# Altium PCB DRV8701EPCB.PcbDoc
Units mil, origin at the board's own origin, x right, y up, seen from the top; angles counter-clockwise.
Board outline 2655 x 1290 mil, 2 copper layers (Top, BOTTOM), stack 21 mil thick; 41 components, 38 nets, 211 pads, 196 vias.
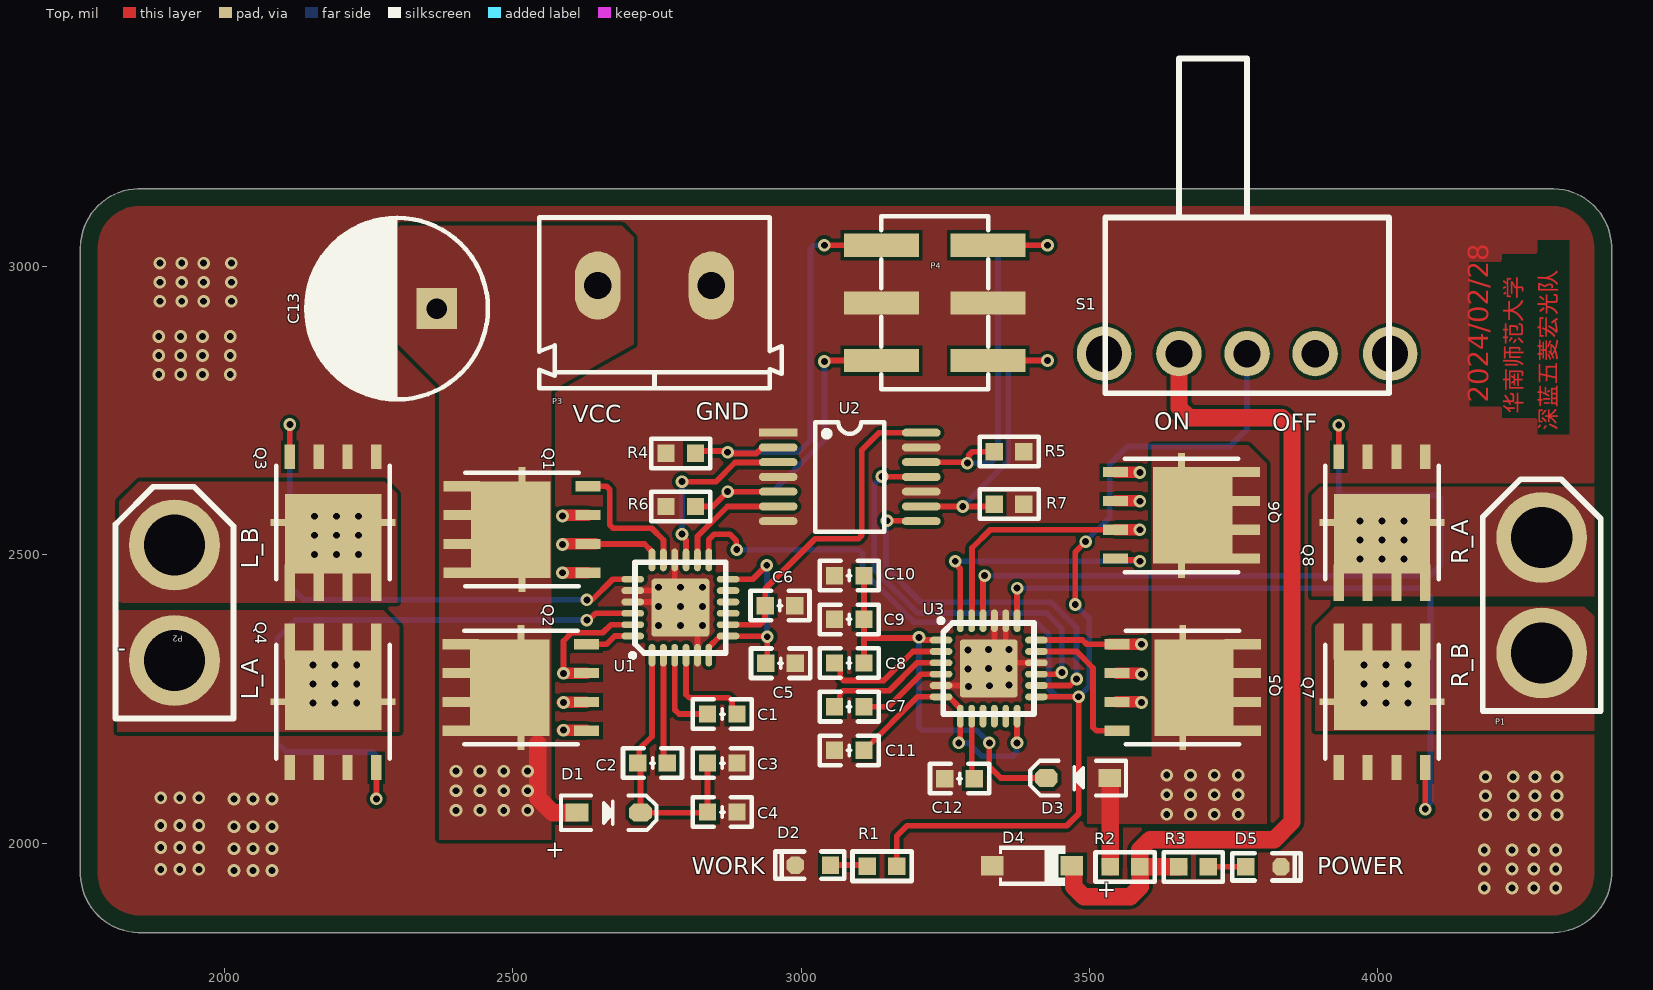
[diagram p0: Top view]
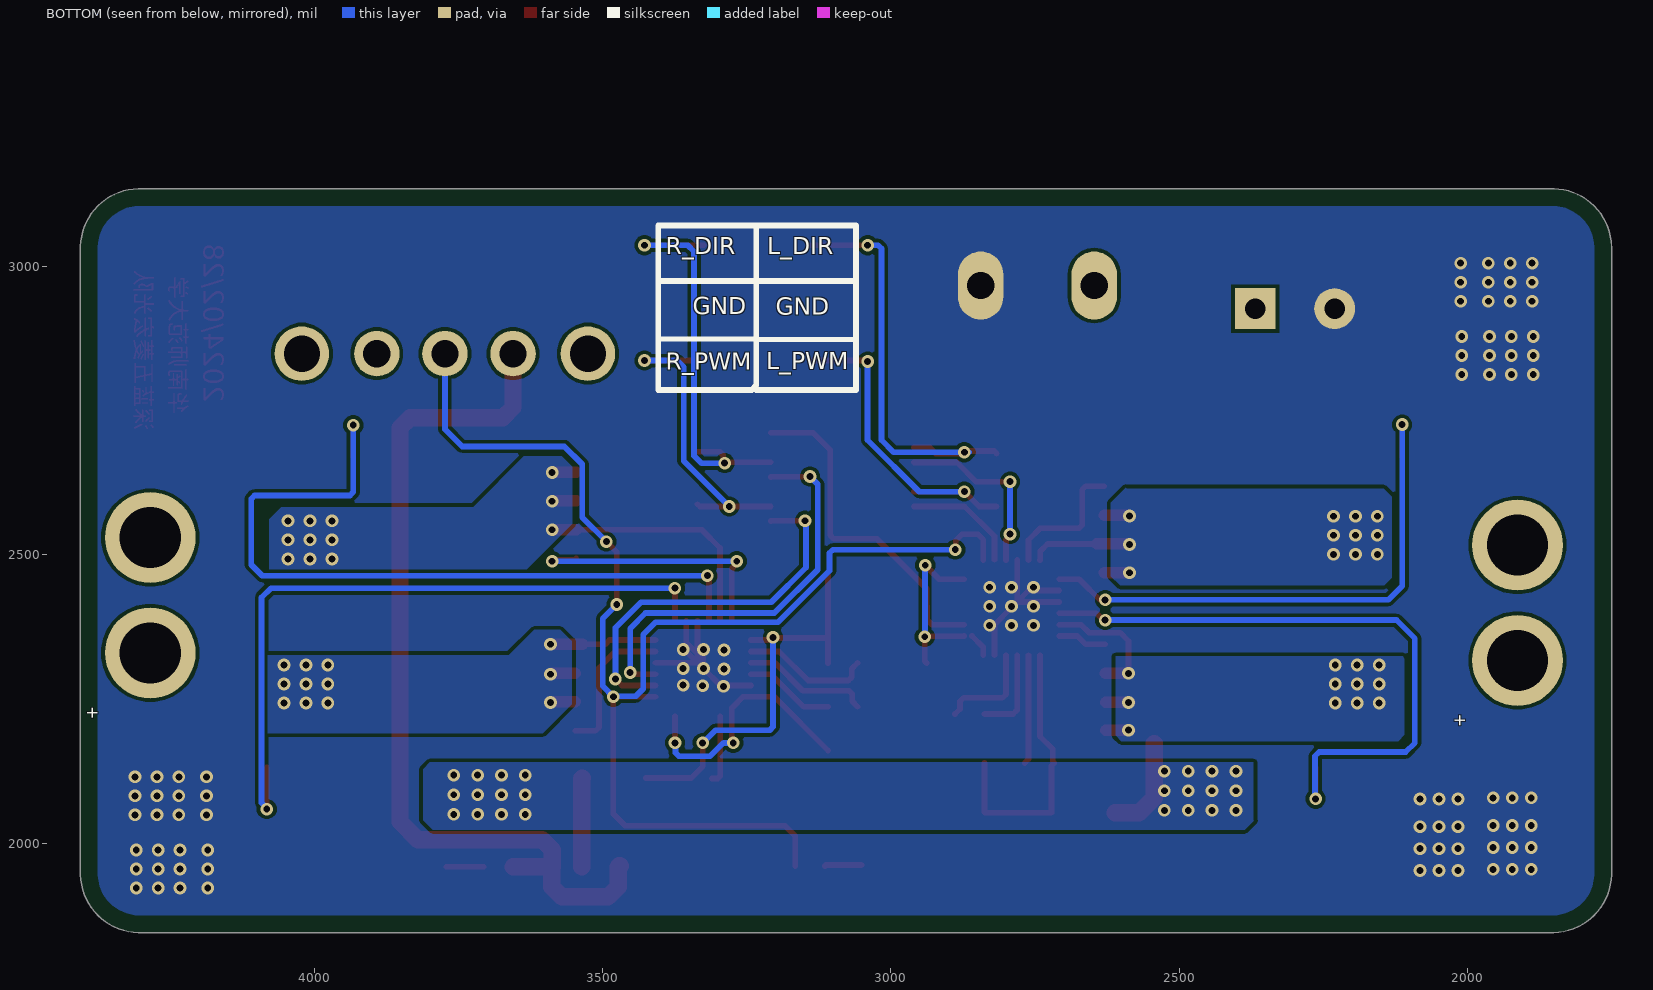
[diagram p1: BOTTOM view, seen from below]
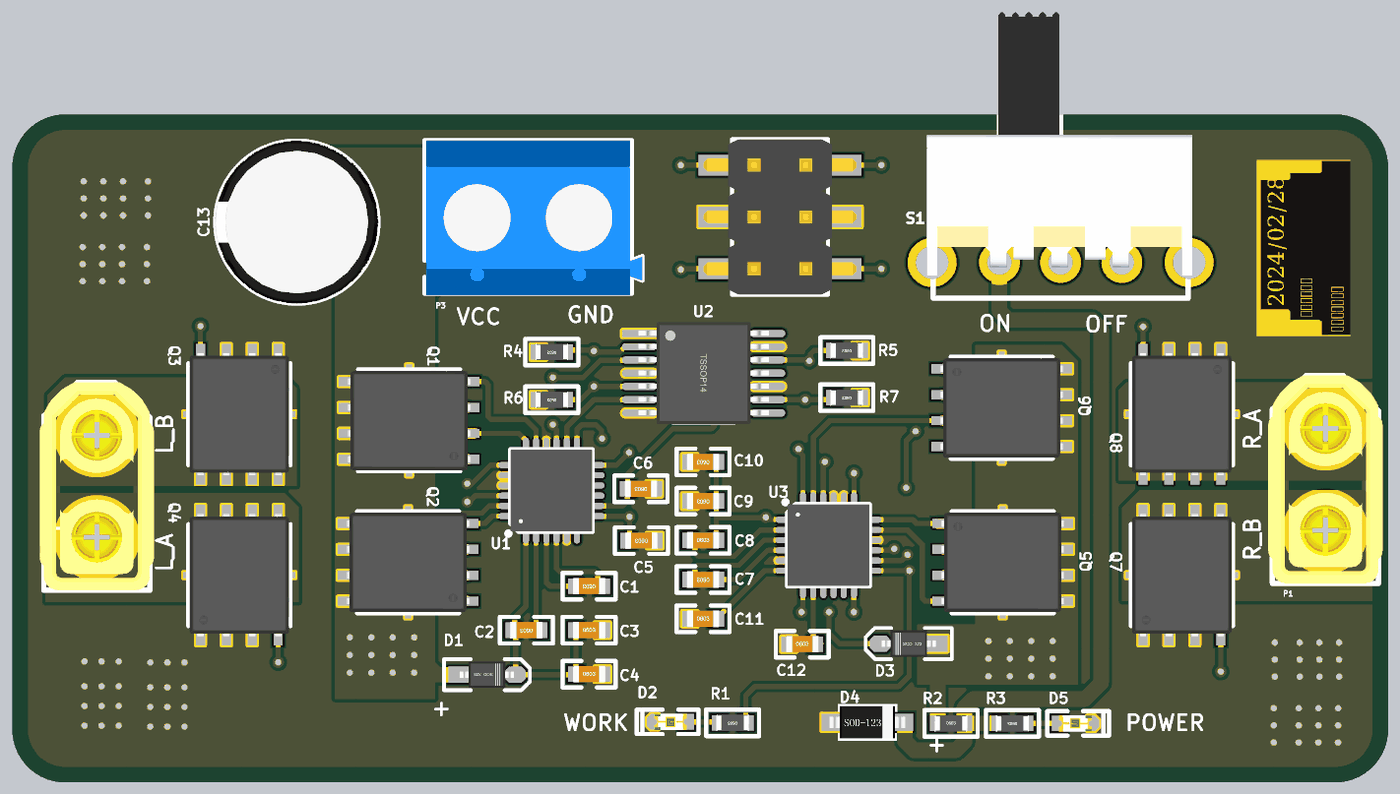
[diagram p2: 3D render of the assembled board from above, using the file's embedded part models]

## Layer stack, top to bottom
Top Solder: solder mask 0.4, Solder Resist, Dk 3.5
Top: signal copper 1.4
Dielectric 2: prepreg 2.8, PP-006, Dk 4.1
Dielectric 1: dielectric 12.6, FR-4, Dk 4.8
Dielectric 3: prepreg 2.8, PP-006, Dk 4.1
BOTTOM: signal copper 1.4
Bottom Solder: solder mask 0.4, Solder Resist, Dk 3.5

## Board outline
1750,1944.99 1750,3035 cw(c1852.5,3032.5) 1849.99,3135 4305,3135 cw(c4302.5,3032.5) 4405,3035.01 4405,1945 cw(c4302.5,1947.5) 4305.01,1845 1850,1845 cw(c1852.5,1947.5)

## Design rules (kind name [scope] priority, off if disabled: settings)
BoardOutlineClearance [All] p1: gap=30 ignorepadtopadclearanceinfootprint=FALSE
Clearance [All] p1: gap=6 ignorepadtopadclearanceinfootprint=FALSE
PlaneClearance [All] p1: clearance=8
PlaneConnect [All] p1: pad.planeconnectstyle=Direct pad.reliefexpansion=20 pad.reliefentries=4 pad.reliefconductorwidth=10 pad.reliefairgap=10 via.planeconnectstyle=NoConnect via.reliefexpansion=20 via.reliefentries=4 via.reliefconductorwidth=10 via.reliefairgap=10
PolygonConnect PolygonConnect_pad [All vs ISPAD] p1: connectstyle=Direct reliefconductorwidth=10 reliefentries=4 polygonreliefangle="90 Angle" airgapwidth=7.87
PolygonConnect PolygonConnect_via [All vs ISVIA] p2: connectstyle=Direct reliefconductorwidth=10 reliefentries=4 polygonreliefangle="90 Angle" airgapwidth=10
RoutingVias [All] p1: holewidth=28 width=50 viastyle="Through Hole" minholewidth=28 minwidth=50 maxholewidth=28 maxwidth=50
SilkToSolderMaskClearance [IsPad] p1: minsilkscreentomaskgap=2 clearancetoexposedcopper=TRUE
SolderMaskExpansion [All] p1: expansion=4 istentingtop=FALSE
Width PWR [InNetClass('PWR')] p1: maxlimit=60 minlimit=10 preferedwidth=30
Width [All] p2: maxlimit=10 minlimit=8 preferedwidth=8
Width GND [InNetClass('GND')] p3: maxlimit=60 minlimit=10 preferedwidth=50
27 further rules are at their usual default settings.

## Classes and differential pairs
net class GND: GND
net class PWR: 3V3 DVDD "L  A" "L  B" "R  A" "R  B" VM

## Components (designator, comment, footprint, x,y, rotation, side; value= is the part's Value field where it differs from the comment)
C1 "100nF" C0603_L 2862.99,2224 r180 top
C2 "1uF" C0603_L 2742,2139 r180 top
C3 "10uF" C0603_L 2863,2139 r0 top
C4 "100nF" C0603_L 2863,2054 r0 top
C5 "1uF" C0603_L 2964,2312 r180 top
C6 "1uF" C0603_L 2963,2412 r180 top
C7 "100nF" C0603_L 3083.01,2236.75 r180 top
C8 "1uF" C0603_L 3083.01,2312.5 r0 top
C9 "10uF" C0603_L 3083,2388.25 r180 top
C10 "100nF" C0603_L 3083,2464 r180 top
C11 "1uF" C0603_L 3083,2161 r0 top
C12 "1uF" C0603_L 3274.41,2112 r0 top
C13 "220uF 25V" CAPPR3.5-8X11.5 2299,2927 r180 top value=220uF
D1 "1N5819" SOD-323 2666,2053 r0 top
D2 "LED" LED-0603_R 3020,1962 r180 top
D3 "1N5819" SOD-323 3480,2113 r180 top
D4 "BZT52C3V3" SOD-123-L 3400,1961 r0 top
D5 "LED" LED-0603_R 3801.41,1959 r0 top
P1 "KF/WJ/DG 30x connecter" XT30-M 4284,2430 r90 top
P2 "KF/WJ/DG 30x connecter" XT30-M 1913,2417 r90 top
P3 "KF/WJ/DG 30x connecter" "KF/WJ/DG 301-2p-5.0mm" 2745.43,2967 r180 top
P4 "Header-D-M 2x3P" HDR2X3-M-SMT 3231.48,2937 r270 top
Q1 "TPH1R403NL" DFN5x6 2515.69,2544 r90 top
Q2 "TPH1R403NL" DFN5x6 2513.69,2270 r90 top
Q3 "TPH1R403NL" DFN5x6 2188,2556 r180 top
Q4 "TPH1R403NL" DFN5x6 2188,2245.31 r0 top
Q5 "TPH1R403NL" DFN5x6 3661.31,2270 r270 top
Q6 "TPH1R403NL" DFN5x6 3659.31,2568.61 r270 top
Q7 "TPH1R403NL" DFN5x6 4007,2245.31 r0 top
Q8 "TPH1R403NL" DFN5x6 4007,2556 r180 top
R1 "330R" R0603_L 3140,1960 r180 top
R2 "2.2K" R0603_L 3561.41,1959 r0 top
R3 "1K" R0603_L 3679.93,1959 r180 top
R4 "10K" R0603_L 2791,2676 r180 top
R5 "10K" R0603_L 3360.41,2679 r180 top
R6 "10K" R0603_L 2791,2584 r180 top
R7 "10K" R0603_L 3360.41,2588 r180 top
S1 "SW-SPDT" SS-12F23 4021.03,2849 r180 top
U1 "DRV8701E" QFN24-4x4 2790.32,2408.53 r90 top
U2 "SN74HC125PWR" TSSOP14 3083.98,2635.18 r0 top
U3 "DRV8701E" QFN24-4x4 3325,2303 r0 top

## Footprints (in the part's own frame and the unit in brackets; to place one, negate y for a bottom-side part, rotate by r counter-clockwise, add the part's x,y. Pads: shape width x height; smd on the part's side, far side on the other; paste and mask are expansions set on the pad)
C0603_L [mil]
  rect 30x30 smd: 1(-25.59,0) 2(25.59,0)
  silkscreen extent -51,-26 51,26, body extent -31,-16 32,16, height 33
CAPPR3.5-8X11.5 [mm]
  rect 1.8x1.8 hole 0.9: 1(-1.75,0)
  round 1.8 hole 0.9: 2(1.75,0)
  silkscreen extent -4,-4.01 4,4, body extent -4,-3.98 4,3.98, height 11.5
DFN5x6 [mm]
  rect 0.45x1.6 smd: 1(-1.905,2.65) 1(-0.635,2.65) 1(0.635,2.65) 1(1.905,2.65)
  rect 5.5x0.3 smd: 1(0,0)
  rect 4.25x3.5 smd: 1(0,0.5)
  rect 0.45x1.1 smd: 2(1.905,-2.9) 3(-1.905,-2.9) 3(-0.635,-2.9) 3(0.635,-2.9)
  silkscreen extent -2.5,-2.5 2.5,2.5, body extent -2.45,-3 2.45,3, height 1
HDR2X3-M-SMT [mm]
  rect 1.02x3.3 smd: 1(-2.54,-2.35) 2(-2.54,2.35) 3(0,-2.35) 4(0,2.35) 5(2.54,-2.35) 6(2.54,2.35)
  silkscreen extent -3.81,-2.35 3.81,2.35, body extent -3.81,-3.75 3.81,3.75, height 9.67
"KF/WJ/DG 301-2p-5.0mm" [mm]
  oval 2x3 hole 1.2: 1(2.5,0) 2(-2.5,0)
  silkscreen extent -5.6,-3 5.08,4.52, body extent -5.6,-3 5,4.6, height 10
LED-0603_R [mil]
  rect 30x30 smd: 1(-30.59,0)
  oct 30x30 smd: 2(30.59,0)
  silkscreen extent -54,-24 65,24, body extent -32,-16 31,16, height 24
QFN24-4x4 [mm]
  rrect10% 2.55x2.55 smd: 0(0,0)
  oval 1x0.3 smd: 1(-2.1,1.25) 2(-2.1,0.75) 3(-2.1,0.25) 4(-2.1,-0.25) 5(-2.1,-0.75) 6(-2.1,-1.25) 13(2.1,-1.25) 14(2.1,-0.75) 15(2.1,-0.25) 16(2.1,0.25) 17(2.1,0.75) 18(2.1,1.25)
  oval 0.3x1 smd: 7(-1.25,-2.1) 8(-0.75,-2.1) 9(-0.25,-2.1) 10(0.25,-2.1) 11(0.75,-2.1) 12(1.25,-2.1) 19(1.25,2.1) 20(0.75,2.1) 21(0.25,2.1) 22(-0.25,2.1) 23(-0.75,2.1) 24(-1.25,2.1)
  silkscreen extent -2.21,-2 2,2.21, body extent -2,-2 2,2, height 0.9
R0603_L [mil]
  rect 30x30 smd: 1(-25.59,0) 2(25.59,0)
  silkscreen extent -51,-26 51,26, body extent -31,-16 32,16, height 16
SOD-123-L [mm]
  rect 1x0.85 smd: A(-1.75,0) K(1.75,0)
  silkscreen extent -1.44,-0.9 1.47,0.9, body extent -1.85,-0.8 1.85,0.8, height 1.2
SOD-323 [mm]
  rect 1x0.8 smd: 1(-1.4,0)
  oct 1x0.8 smd: 2(1.4,0)
  silkscreen extent -2.11,-0.76 2.11,0.76, body extent -1.32,-0.65 1.32,0.65, height 0.95
SS-12F23 [mm]
  round 2.4 hole 1.6: 0(0,0) 0(12.6,0)
  round 2 hole 1.2: 1(3.3,0) 2(6.3,0) 3(9.3,0)
  silkscreen extent 0.05,-13 12.55,1.75, body extent -0.14,-12.27 12.86,0.64, height 5.75
TSSOP14 [mm]
  rect 1.7x0.35 smd: 1(-3.15,1.95)
  oval 1.7x0.35 smd: 2(-3.15,1.3) 3(-3.15,0.65) 4(-3.15,0) 5(-3.15,-0.65) 6(-3.15,-1.3) 7(-3.15,-1.95) 8(3.15,-1.95) 9(3.15,-1.3) 10(3.15,-0.65) 11(3.15,0) 12(3.15,0.65) 13(3.15,1.3) 14(3.15,1.95)
  silkscreen extent -1.52,-2.41 1.52,2.41, body extent -3.2,-2.49 3.2,2.51, height 1.03
XT30-M [mm]
  round 4 hole 2.7: 1(-2.54,0) 2(2.54,0)
  silkscreen extent -5.1,-2.6 5.11,2.6, body extent -5.1,-2.8 5.1,2.8, height 10.66

## Part data
C1 C2 C3 C4 C5 C6 C7 C8 C9 C10 C11 C12: library part C-SMD, "贴片电容", BOM名称=无极性贴片电容
C13: library part Cap-Elect, "Polarized Capacitor (Radial)", Voltage=25V, Price(RMB)=0.000, Published=8-Jun-2000, Publisher="Altium Limited", Revision="July-2002: Re-released for DXP Platform."
D1 D3: "肖特基二极管", BOM名称=肖特基二极管
D2 D5: library part LED_SMD, "贴片发光二极管"
D4: library part "Diode Zen", "3.3V稳压二极管", Price(RMB)=0.000, Published=8-Jun-2000, Publisher="Altium Limited", Revision="July-2002: Re-released for DXP Platform."
P1 P2 P3: library part "KF/WJ/DG 30x", "接线端子 2Pin"
P4: library part "Header-S-M 2x3P", "2x3pin, 贴片, 双排针", Revision=V1.0
Q1 Q2 Q3 Q4 Q5 Q6 Q7 Q8: "N沟道MOS"
R1 R2 R3 R4 R5 R6 R7: library part R-SMD, "贴片电阻", BOM名称=贴片电阻
S1: "单刀双掷开关 3脚船型、钮子、拨动开关 SPDT Subminiature Toggle Switch", Price(RMB)=0.000, Published=24-Mar-1999, Publisher="Altium Limited"
U1 U3: "DRV8701E Ti全桥驱动芯片"
U2: "三态输出的四路缓冲器"

## Via types
v1: diameter 22, hole 12, Top to BOTTOM, tented both sides, 196 vias

## Nets (pads, with @x,y where several pads share a name; then routed paths per layer and width w, separated by ;. In a path a pad name is that pad's centre, name@x,y a point inside that pad or via, vN(x,y) a via of type N, cw(c..) or ccw(c..) an arc to the next point about the centre after c; other vN are vias at no path point)
3V3: D4.K R2.2 R3.2 S1.3 | length 1572
  Top w30: D4.K 3470.8,1961 3472.53,1959.27 3472.53,1924.57 3490.1,1907 3570.21,1907 3587.79,1924.57 3587.79,1958.21 R2.2 ; R3.2 R2.2 ; S1.3 3654.89,2755.57 3672.46,2738 3833.43,2738 3851,2720.43 3851,2037 3820,2006 3604.57,2006 3587,1988.43 R2.2
DVDD: C6.2 U1.8 U2.14 | length 590.7
  Top w10: U1.8 2928,2379 2936.86,2387.86 2936.86,2411.45 C6.2 2937.41,2441.41 3024,2528 3099.14,2528 3105,2533.86 3105,2682 3134.95,2711.95 U2.14
GND: C3.2 C4.2 C5.1 C6.1 C9.2 C10.2 C11.1 C12.1 C13.2 D2.2 D4.A D5.2 P3.2 P4.3 P4.4 Q3.3 Q4.3 Q7.3 Q8.3 R4.2 R5.1 R6.2 R7.1 U1.0 U1.5 U1.16 U1.20 U1.21 U2.1 U2.4 U2.7 U2.10 U2.13 U3.0 U3.5 U3.16 U3.20 U3.21 | length 723.8
  Top w10: U1.21 U1.0@2780.48,2418.37 ; U1.20 2760.8,2438.06 U1.0@2780.48,2418.37 ; U1.16 U1.0@2780.48,2418.37 ; U1.5 2819.85,2379 U1.0 U1.0@2780.48,2418.37 ; U3.5 3288.53,2273.47 v1(3290,2272) 3294,2272 3324.83,2302.83 U3.0@3334.84,2312.84 ; U3.0 3325,2323.67 U3.0@3334.84,2333.51 ; U3.21 U3.0@3334.84,2333.51 ; U3.20 3354.53,2348.2 3339.84,2333.51 U3.0@3334.84,2333.51 ; v1(3360,2336) 3358,2336 U3.0@3334.84,2312.84 ; U3.16 U3.0@3334.84,2312.84 ; U3.0@3334.84,2312.84 U3.0@3334.84,2333.51
  other v1: 4184.37,1922.17 4232.37,1922.17 4270.37,1922.17 4308.37,1922.17 2016.17,1952.63 2049.18,1952.63 2082.18,1952.63 1889.17,1954.63 1922.17,1954.63 1955.17,1954.63 4184.37,1955.17 4232.37,1955.17 4270.37,1955.17 4308.37,1955.17 4184.37,1988.17 4232.37,1988.17 4270.37,1988.17 4308.37,1988.17 2016.17,1990.63 2049.18,1990.63 2082.18,1990.63 1889.17,1992.63 1922.17,1992.63 1955.17,1992.63 2016.17,2028.63 2049.18,2028.63 2082.18,2028.63 1889.17,2030.63 1922.17,2030.63 1955.17,2030.63 4186.37,2049.18 4234.37,2049.18 4272.37,2049.18 4310.37,2049.18 2016.17,2076.63 2049.18,2076.63 2082.18,2076.63 1889.17,2078.63 1922.17,2078.63 1955.17,2078.63 4186.37,2082.18 4234.37,2082.18 4272.37,2082.18 4310.37,2082.18 4186.37,2115.18 4234.37,2115.18 4272.37,2115.18 4310.37,2115.18 3326,2273 3360,2274 3289,2302 3324.67,2303 3360,2303 3289,2335 3324.67,2336 2752.48,2377.85 2790.48,2377.85 2828.48,2377.85 2752.48,2410.85 2790.48,2410.85 2828.48,2410.85 2752.48,2443.85 2790.48,2443.85 2828.48,2443.85 1885.63,2812.82 1923.63,2812.82 1961.63,2812.82 2009.63,2812.82 1885.63,2845.82 1923.63,2845.82 1961.63,2845.82 2009.63,2845.82 1885.63,2878.82 1923.63,2878.82 1961.63,2878.82 2009.63,2878.82 1887.63,2939.82 1925.63,2939.82 1963.63,2939.82 2011.63,2939.82 1887.63,2972.82 1925.63,2972.82 1963.63,2972.82 2011.63,2972.82 1887.63,3005.82 1925.63,3005.82 1963.63,3005.82 2011.63,3005.82
"L  A": P2.1 Q2.3 Q4.1 U1.23 | length 315.2
  Top w10: v1@2585,2196 v1@2585.5,2195.5 ; v1@2585,2244 v1@2585.5,2244.5 ; v1@2588,2295 v1(2587.5,2294.5) 2587.5,2350.71 2601.65,2364.86 2655.86,2364.86 2670,2379 U1.23 ; Q2.3@2627.36,2195.5 Q2.3@2627.86,2195 ; Q2.3@2627.36,2244.5 Q2.3@2627.86,2245
  Top w20: v1@2585.5,2195.5 Q2.3@2627.36,2195.5 ; v1@2585.5,2244.5 Q2.3@2627.36,2244.5 ; v1@2588,2295 Q2.3@2627.86,2295
  other v1: 2587.5,2196 2153,2243 2191,2243 2229,2243 2587.5,2244 2153,2276 2191,2276 2229,2276 2153,2309 2191,2309 2229,2309
"L  B": P2.2 Q1.3 Q3.1 U1.18 | length 265.1
  Top w10: v1@2584,2566 v1@2587,2569 ; Q1.3@2642.65,2519 2727.93,2519 2740.76,2506.17 2740.76,2491.55 U1.18
  Top w20: v1(2586,2469) Q1.3@2629.86,2469 ; v1@2587,2519 Q1.3@2642.65,2519 ; v1@2587,2569 Q1.3@2629.86,2569
  other v1: 2156,2501 2194,2501 2232,2501 2586,2518 2156,2534 2194,2534 2232,2534 2156,2567 2194,2567 2232,2567 2586,2567.5
L_EN: U1.14 U2.6 | length 201.9
  Top w10: U1.14@2820.2,2491.55 2820.2,2532.2 2872,2584 U2.6
L_EN_IN: P4.5 R6.1 U2.5 | length 591.5
  Top w10: R6.1 2846.59,2584 v1(2872.18,2609.59) U2.5 ; v1@3044,2834 3047,2837 P4.5
  BOTTOM w10: v1(2872.18,2609.59) 2950.59,2609.59 3040,2699 v1(3040,2835.5)
L_PH: U1.15 U2.3 | length 321.7
  Top w10: v1@2791,2627 v1(2793,2627) 2852,2627 2885,2660 2928.64,2660 2928.68,2660.05 2959.25,2660.05 U2.3 ; v1(2793,2536) 2793,2532.75 2800.17,2525.59 U1.15
  BOTTOM w10: v1(2793,2536) v1(2793,2627)
L_PH_IN: P4.1 R4.1 U2.2 | length 768.4
  Top w10: R4.1 2820.59,2680 2870.18,2680 v1(2872.18,2678) ; v1@2872.18,2676 2922.01,2676 2932.37,2686.36 U2.2 ; v1(3040,3037) P4.1
  BOTTOM w10: v1@2864,2678 2995,2678 3016,2699 3016,3031.14 3021.86,3037 v1(3040,3037)
NetC1_1: C1.1 U1.4 | length 178.2
  Top w10: U1.4 2800.17,2258.02 2806.02,2252.17 2873.82,2252.17 2879.68,2246.31 2879.68,2232.91 C1.1
NetC1_2: C1.2 U1.3 | length 154.4
  Top w10: U1.3 2780.48,2231.52 2788,2224 C1.2
NetC2_1: C2.1 U1.2 | length 189.7
  Top w10: U1.2 2760.8,2145.8 C2.1
NetC2_2: C2.2 C3.1 C4.1 D1.2 U1.1 | length 486.7
  Top w10: U1.1 2741.11,2185.11 2719.15,2163.15 2719.15,2141.74 C2.2 2721.12,2134.3 D1.2 2836.41,2053 C4.1 C3.1
NetC5_2: C5.2 U1.6 U1.7 U1.12 | length 359.1
  Top w10: U1.6 2839.54,2339.63 U1.7@2859.22,2359.31 ; U1.7 2873.35,2358.97 2940.03,2358.97 v1(2941,2358) 2941,2315.59 C5.2@2937.41,2312 ; U1.12 2915.74,2457.74 v1(2940,2482)
  BOTTOM w10: v1(2940,2482) 2940.5,2481.5 2940.5,2358.5 v1(2941,2358)
NetC7_1: C7.1 U3.4 | length 157.1
  Top w10: C7.1 3151.23,2236.75 3207.64,2293.16 U3.4
NetC7_2: C7.2 U3.3 | length 223.7
  Top w10: C7.2 3066.82,2246.15 3066.82,2258.56 3072.68,2264.42 3152.42,2264.42 3200.84,2312.84 U3.3
NetC8_1: C8.1 U3.2 | length 227
  Top w10: C8.1 3067.41,2302.5 3067.41,2287.86 3073.27,2282 3143,2282 3193.53,2332.53 U3.2
NetC8_2: C8.2 C9.1 C10.1 D3.2 U3.1 | length 724.5
  Top w10: C8.2 3108.59,2356 ; C10.1 C9.1 3108.59,2356 ; U3.1 3241.98,2352.56 3211.69,2352.56 3207.25,2357 v1(3204,2357) 3203,2356 3108.59,2356 ; v1(3326,2174) 3326,2133 3346,2113 D3.2
  BOTTOM w10: v1(3204,2357) 3204,2201.86 3209.86,2196 3304,2196 v1(3326,2174)
NetC11_2: C11.2 U3.6 U3.7 U3.12 | length 453.1
  Top w10: C11.2 3201.38,2253.79 U3.6 3256.1,2253.79 3275.79,2234.1 U3.7 3275.79,2178.03 3273,2175.25 v1(3273,2174) v1@3273,2172 ; v1(3374,2174) 3374.11,2174.11 3374.11,2220.22 U3.12
  BOTTOM w10: v1(3273,2174) 3290,2174 3302.51,2161.72 3313.43,2151 3317.51,2151 3367.51,2151 3373.37,2156.86 3373.37,2173.37 v1(3374,2174)
NetC12_2: C12.2 U3.8 | length 120.6
  Top w10: U3.8 3295.47,2116.53 C12.2 C12.2@3310.39,2112
NetD2_1: D2.1 R1.2 | length 64.6
  Top w10: D2.1 3112.41,1962 R1.2
NetD5_1: D5.1 R3.1 | length 65.3
  Top w10: R3.1 D5.1
NetQ1_2: Q1.2 U1.17 | length 240.1
  Top w10: Q1.2 2662.14,2619 2668,2613.14 2668,2551.86 2673.86,2546 2740.69,2546 2760.8,2525.89 U1.17
NetQ2_2: Q2.2 U1.24 | length 85.7
  Top w10: Q2.2 2662,2345 2676.31,2359.31 U1.24
NetQ3_2: Q3.2 U1.19 | length 955.2
  Top w10: Q3.2 v1(2113,2726) ; v1(2628,2422) 2637.22,2422 2672.96,2457.74 U1.19
  BOTTOM w10: v1(2113,2726) 2113,2446 2137,2422 v1(2628,2422)
NetQ4_2: Q4.2 U1.22 | length 1128.2
  Top w10: Q4.2 v1(2263,2077) v1@2264,2076 ; v1(2628,2386.86) 2631.25,2386.86 2643.07,2398.69 U1.22
  BOTTOM w10: v1(2263,2077) 2264,2078 2264,2151 2257,2158 2107,2158 2091,2174 2091,2355 2122.86,2386.86 v1(2628,2386.86)
NetQ5_2: Q5.2 U3.17 | length 256.8
  Top w10: U3.17 3477.47,2332.53 3506,2304 3506,2200.86 3511.86,2195 Q5.2
NetQ6_2: Q6.2 U3.24 | length 470.7
  Top w10: v1(3267,2489) 3269.3,2486.7 3269.3,2482.46 3275.79,2475.97 U3.24 ; Q6.2 3547.45,2491.3 3584.7,2491.3 v1(3587,2489)
  BOTTOM w10: v1(3267,2489) v1(3587,2489)
NetQ7_2: Q7.2 U3.19 | length 1226.8
  Top w10: U3.19 v1(3374.21,2442.21) v1@3375,2443 ; v1@4080,2057 v1(4082,2059) Q7.2
  BOTTOM w10: v1(3374.21,2442.21) 4074.79,2442.21 4091,2426 4091,2070.28 4082,2061.28 v1(4082,2059)
NetQ8_2: Q8.2 U3.22 | length 1346.7
  Top w10: U3.22 3315.16,2461.16 v1(3318,2464) ; Q8.2 v1(3932,2725) v1@3933,2726
  BOTTOM w10: v1(3318,2464) 4090,2464 4109,2483 4109,2597.14 4103.14,2603 3937.86,2603 3932,2608.86 v1(3932,2725)
nSLEEP: R1.1 S1.2 U1.13 U3.13 | length 2379.3
  Top w10: U1.13 2839.54,2526.54 2848.7,2535.7 2876.3,2535.7 2887.12,2524.88 2887.12,2509.88 v1(2888,2509) ; R1.1 3165.59,2012.59 3183.29,2030.29 3460.29,2030.29 3481,2051 v1(3481,2254) 3480.89,2253.89 3407.78,2253.89 U3.13 ; v1(3475,2414) 3475,2505 v1(3493,2523)
  BOTTOM w10: v1(2888,2509) 3100.14,2509 3106,2503.14 3106,2472.37 3195.37,2383 3408,2383 3429,2362 3429,2268 3442,2255 3480,2255 v1(3481,2254) 3499.43,2272.43 3499.43,2389.57 v1(3475,2414) ; v1(3493,2523) 3535,2565 3535,2657 3566,2688 3743,2688 3773,2718 S1.2
"R  A": P1.2 Q6.3 Q8.1 U3.23 | length 516.1
  Top w10: U3.23 3295.82,2386.02 3295.82,2511.82 3327.61,2543.61 Q6.3@3545.14,2543.61 ; v1@3586.39,2593.61 v1(3587,2593) ; v1@3586.39,2643.61 v1(3587,2643) ; v1(3587,2543.61) 3587.39,2543.61 v1@3588,2543
  Top w20: Q6.3@3545.14,2543.61 v1(3587,2543.61) ; Q6.3@3545.14,2593.61 v1@3586.39,2593.61 ; Q6.3@3545.14,2643.61 v1@3586.39,2643.61
  other v1: 3969,2493 4007,2493 4045,2493 3969,2526 4007,2526 4045,2526 3969,2559 4007,2559 4045,2559
"R  B": P1.1 Q5.3 Q7.1 U3.18 | length 275.3
  Top w10: U3.18 3487.79,2352.21 3495,2345 Q5.3@3534.35,2345 ; v1@3589,2295 v1@3591,2293 ; v1@3591,2245 v1@3592,2244
  Top w20: Q5.3@3534.35,2345 v1(3590,2345) ; Q5.3@3547.14,2245 v1@3591,2245 ; Q5.3@3547.14,2295 v1@3589,2295
  other v1: 3976,2243 4014,2243 4052,2243 3590,2244 3976,2276 4014,2276 4052,2276 3590,2293 3976,2309 4014,2309 4052,2309
R_EN: U2.8 U3.14 | length 678.4
  Top w10: v1(3148.6,2559.13) 3207.28,2559.13 U2.8 ; U3.14 3466.16,2273.47 v1(3477.43,2284.74)
  BOTTOM w10: v1(3148.6,2559.13) 3147,2557.54 3147,2478 3207,2418 3433,2418 3477.43,2373.57 v1(3477.43,2284.74)
R_EN_IN: P4.6 R7.2 U2.9 | length 578.8
  Top w10: U2.9 3330.82,2584 R7.2 ; P4.6 v1(3427,2837)
  BOTTOM w10: v1(3280,2584) 3359,2663 3359,2826 3370,2837 v1(3427,2837)
R_PH: U2.11 U3.15 | length 724.5
  Top w10: v1(3140,2636) 3140.41,2635.59 3207.59,2635.59 U2.11 ; U3.15 3445.7,2293.16 3448.54,2296 v1(3451.79,2296)
  BOTTOM w10: v1(3140,2636) 3126.6,2622.6 3126.6,2474.4 3202,2399 3425,2399 3451.79,2372.21 v1(3451.79,2296)
R_PH_IN: P4.2 R5.2 U2.12 | length 738.1
  Top w10: U2.12 v1@3284.77,2660.77 ; v1(3288,2659) 3290.3,2661.3 3290.3,2672.81 3296.49,2679 R5.2 ; P4.2 v1@3420.5,3037
  BOTTOM w10: v1(3288,2659) 3328,2659 3341,2672 3341,3026 3352,3037 v1(3427,3037)
VM: C13.1 D1.1 D3.1 P3.1 Q1.1 Q2.1 Q5.1 Q6.1 R2.1 | length 326.9
  Top w30: 2543,2173 2543,2079 2569,2053 D1.1 ; D3.1 3535.82,2112.3 R2.1
  other v1: 3633.67,2050 3675,2050 3716.33,2050 3757.67,2050 2401.33,2057 2442.67,2057 2484,2057 2525.33,2057 3633.67,2084 3675,2084 3716.33,2084 3757.67,2084 2401.33,2091 2442.67,2091 2484,2091 2525.33,2091 3633.67,2118 3675,2118 3716.33,2118 3757.67,2118 2401.33,2125 2442.67,2125 2484,2125 2525.33,2125
pads on no net: S1.0 S1.1 U1.9 U1.10 U1.11 U3.9 U3.10 U3.11

## Polygon pours and split planes (outlines as drawn)
GND on BOTTOM "GND_L02_P059" (solid, pour order 59): 1750,1944.99 1750,3035 cw(c1852.5,3032.5) 1849.99,3135 4305,3135 cw(c4302.5,3032.5) 4405,3035.01 4405,1945 cw(c4302.5,1947.5) 4305.01,1845 1850,1845 cw(c1852.5,1947.5)
"R  B" on BOTTOM "NONET_L-01_P-001" (solid, remove dead copper, pour order 57): 3554,2351 3573,2370 3618,2370 3662,2326 4080,2326 4080,2191 3603,2191 3553,2241 3553,2351
"R  A" on BOTTOM "NONET_L-01_P-001" (solid, remove dead copper, pour order 56): 3552,2653 3570,2671 3636,2671 3724,2583 4057,2583 4078,2562 4078,2475 3631,2475 3552,2554
"L  B" on BOTTOM "NONET_L-01_P-001" (solid, remove dead copper, pour order 55): 2131,2460 2144,2447 2602,2447 2618,2463 2618,2590 2592,2616 2591,2615 2145,2615 2131,2601 2131,2486
"L  A" on BOTTOM "NONET_L-01_P-001" (solid, remove dead copper, pour order 54): 2108,2328 2109,2324 2109,2188 2120,2177 2600,2177 2610,2187 2610,2324 2147,2324 2109,2324 2112,2324
VM on BOTTOM "NONET_L-01_P-001" (solid, remove dead copper, pour order 53): 2371,2140 3799,2140 3811,2128 3811,2040 3794,2023 2386,2023 2370,2039 2371,2040
GND on Top "GND_L01_P058" (solid, remove dead copper, pour order 58): 1750,1944.99 1750,3035 cw(c1852.5,3032.5) 1849.99,3135 4305,3135 cw(c4302.5,3032.5) 4405,3035.01 4405,1945 cw(c4302.5,1947.5) 4305.01,1845 1850,1845 cw(c1852.5,1947.5)
"R  B" on Top "NONET_L-01_P-001" (solid, remove dead copper, pour order 51): 3891,2376 3925,2410 4358,2410 4382,2386 4382,2195 3891,2195 3891,2375
"R  A" on Top "NONET_L-01_P-001" (solid, remove dead copper, pour order 50): 4393,2428 4393,2618 4094,2618 3900,2618 3885,2603 3885,2428
"L  A" on Top "NONET_L-01_P-001" (solid, remove dead copper, pour order 49): 2275,2404 2303,2376 2303,2193 1814,2193 1814,2219 1814,2404
"L  B" on Top "NONET_L-01_P-001" (solid, remove dead copper, pour order 48): 1811,2417 2299,2417 2299,2606 2278,2627 1851,2627 1817,2593 1817,2419
VM on Top "NONET_L-01_P-001" (solid, remove dead copper, pour order 46): 3496,2034 3807,2034 3807,2151 3807,2658 3775,2690 3608,2690 3608,2150 3496,2150
VM on Top "NONET_L-01_P-001" (solid, remove dead copper, pour order 44): 2300,3069 2301,3068 2301,2865 2372,2794 2372,2006 2566,2006 2566,2784.63 2709,2865 2709,3051 2689,3071 2300,3071

## Other copper
Top:
  text "2024/02/28" at 4203.26,2764.06 h60 r90
  text "华南师范大学" at 4259.19,2744 h50 r90
  text "深蓝五菱宏光队" at 4319.02,2715 h50 r90

## Silkscreen, mask and mechanical layers (free items; w line width, h text height)
Top Overlay:
  text "GND" at 2817,2734 h30
  text "VCC" at 2604,2730 h30
  text "ON" at 3612,2717 h30
  text "OFF" at 3816.59,2715.57 h30
  text "R_A" at 4157,2484 h30 r90
  text "L_B" at 2058,2476 h30 r90
  text "-" at 1815,2324 h30
  text "R_B" at 4157,2270 h30 r90
  text "L_A" at 2058,2249 h30 r90
  text "+" at 2556,1975 h30
  text "WORK" at 2810,1946 h30
  text "POWER" at 3895,1946 h30
  text "+" at 3512,1905 h30
Bottom Overlay:
  lines w10: 3061,2873 3402,2875 ; 3061,2975 3403,2975 ; 3233,2786 3060,2786 3060,3071 3233,3071 ; 3233,3071 3403,3071 3403,3065 3403,2786 3241,2786 3233,2794 3233,3071
  text "L_DIR" at 3214,3021 h30
  text "R_DIR" at 3389.96,3020.92 h30
  text "GND" at 3343,2917 h30
  text "GND" at 3199,2916 h30
  text "L_PWM" at 3216,2822 h30
  text "R_PWM" at 3389.96,2820.92 h30
Top Solder:
  rectangle: 4151,2707 4332,3047

## Text inside footprints (layer, text, board x,y; h text height)
P1: Bottom Overlay "+" at 4393.24,2237.89 h20 r90
P2: Bottom Overlay "+" at 2022.24,2224.89 h20 r90